# Altium PCB CPU_CARD.pcbdoc (part 2 of 10)
Units mil, origin at the board's own origin, x right, y up, seen from the top; angles counter-clockwise.
Board outline 12785.46 x 11935.21 mil, 2 copper layers (Top Layer, Bottom Layer); 169 components, 379 nets, 1548 pads, 1023 vias.
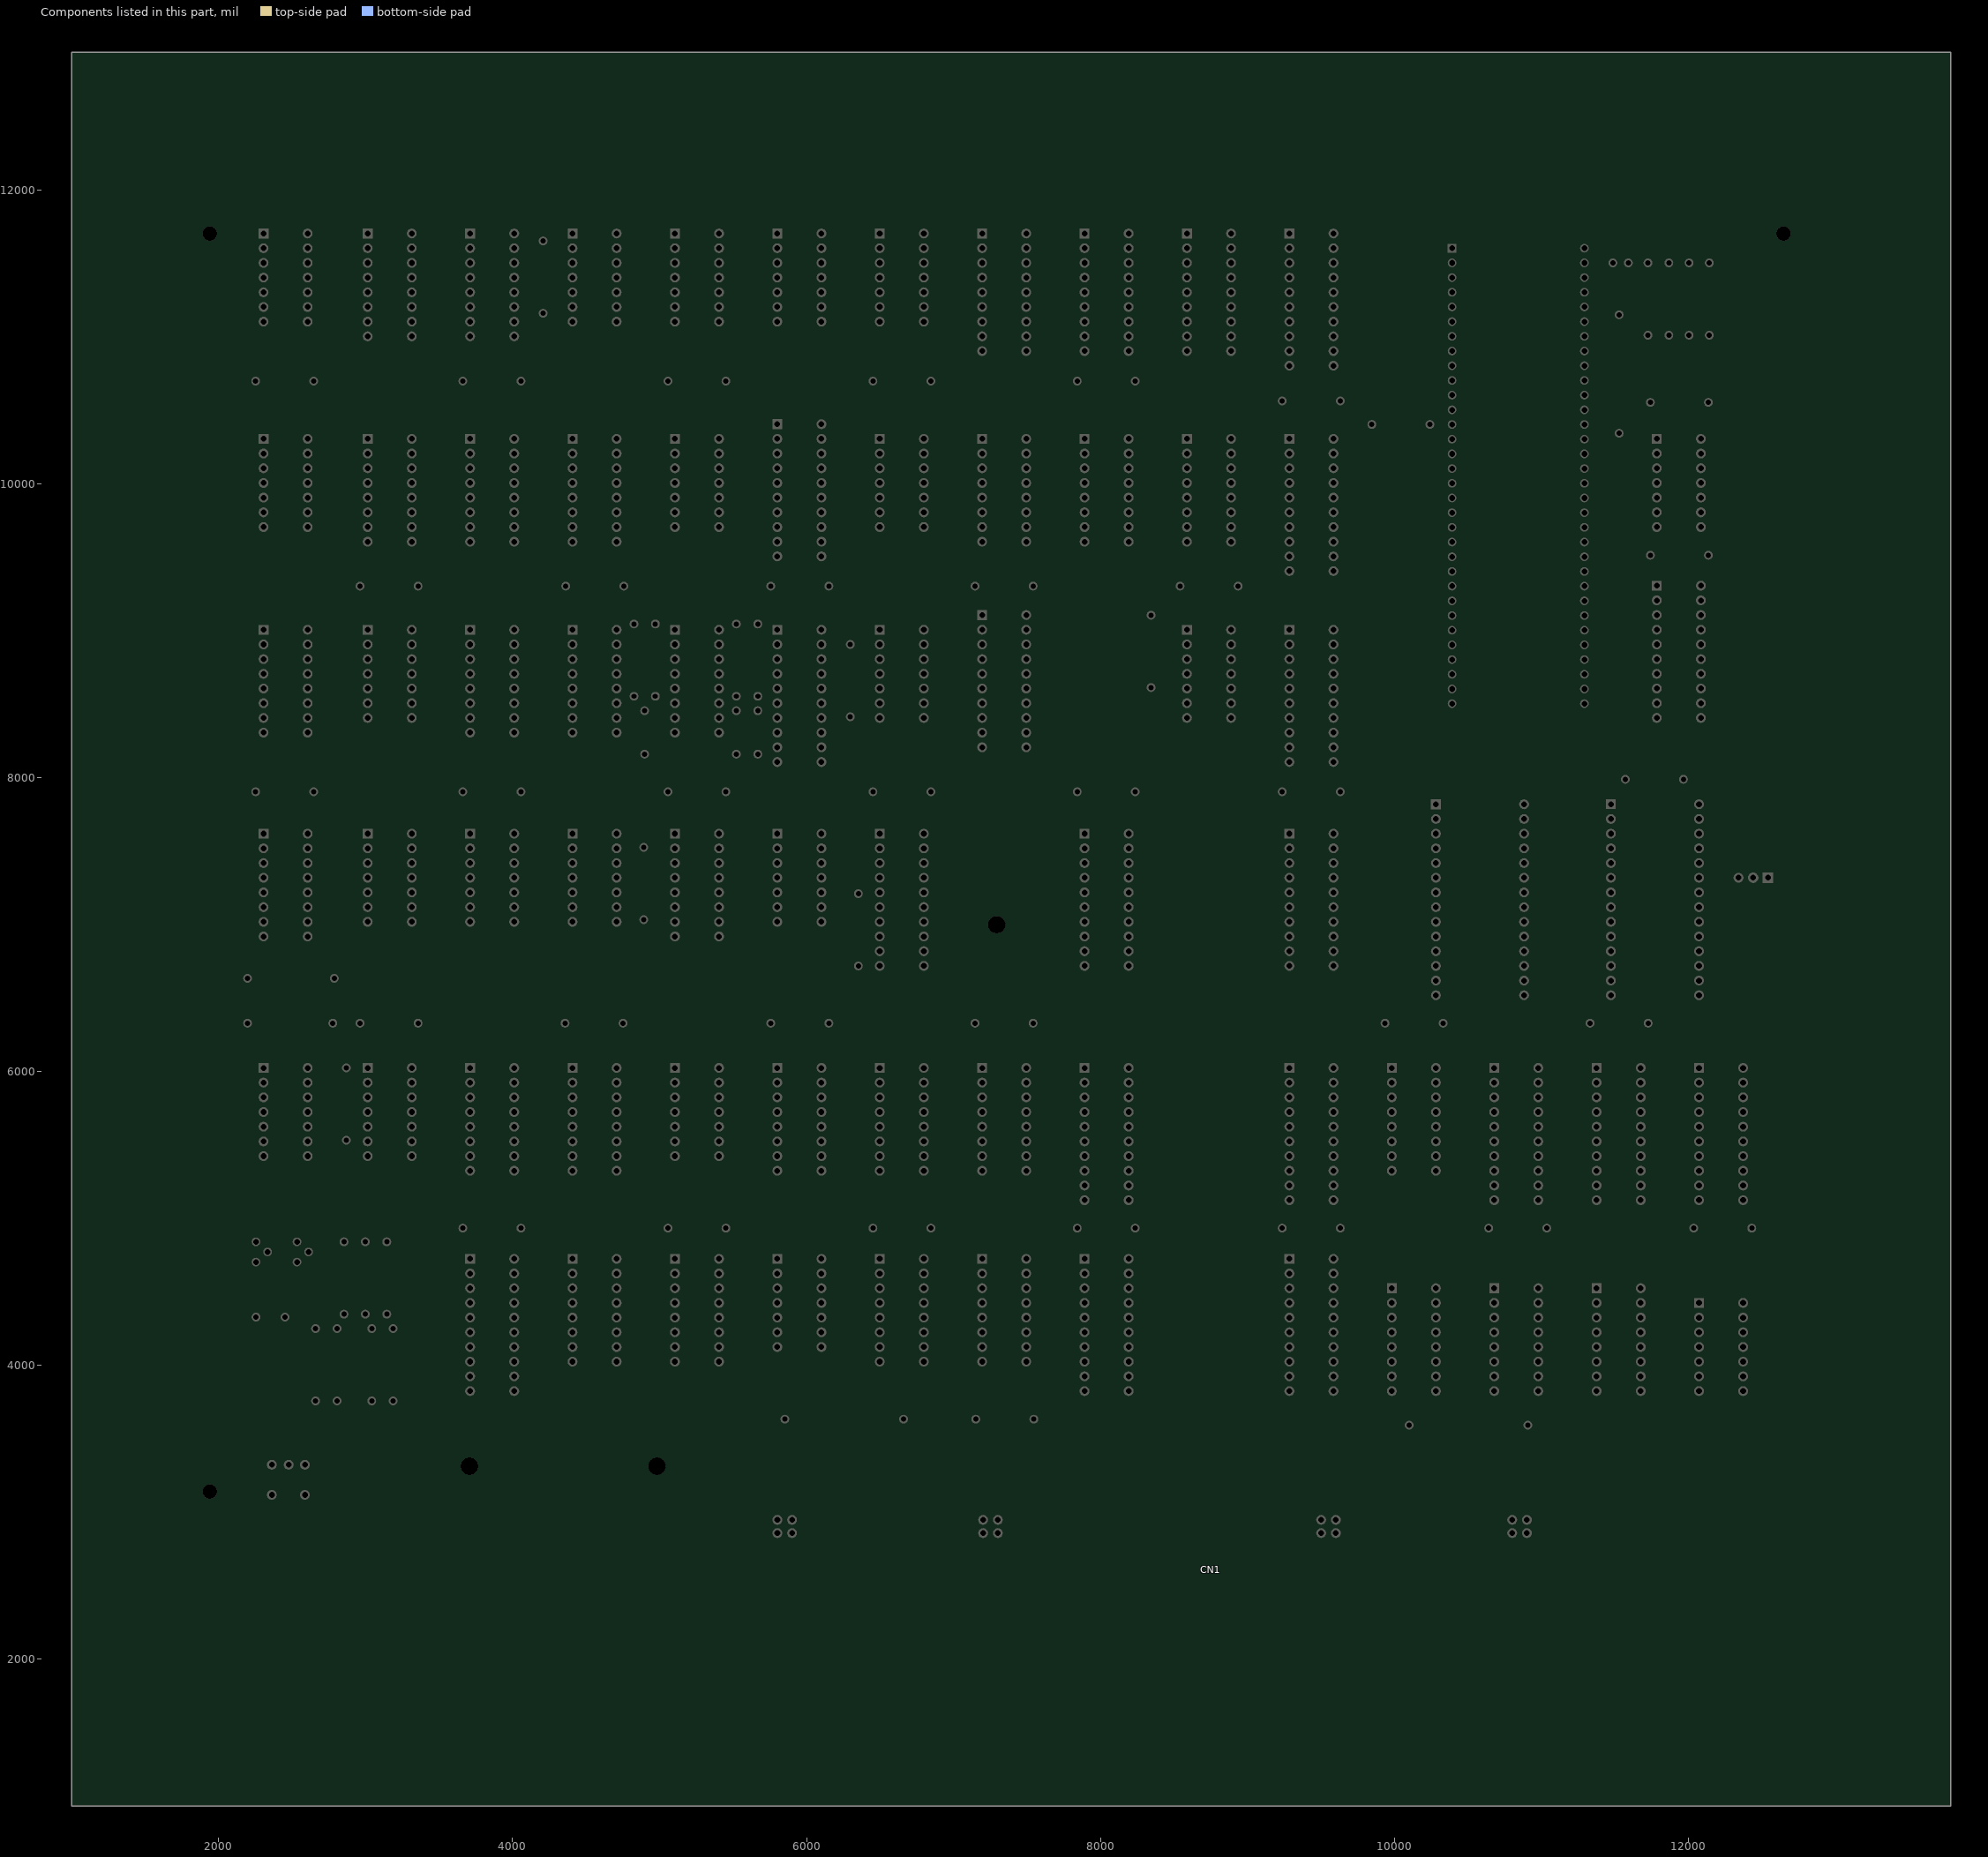
[diagram p2: the components of this part, seen from the top]

## Footprints (in the part's own frame and the unit in brackets; to place one, negate y for a bottom-side part, rotate by r counter-clockwise, add the part's x,y. Pads: shape width x height; smd on the part's side, far side on the other; paste and mask are expansions set on the pad) (continued)
LISA_60_PIN_EDGE_MK5 [mm]
  round 0 smd far side: 1(72.401,0.001) 3(69.861,0.001) 5(67.321,0.001) 7(64.78,0.001) 9(62.24,0.001) 11(59.7,0.001) 13(57.16,0.001) 15(54.619,0.001) 17(52.079,0.001) 19(49.539,0.001) 21(46.999,0.001) 23(44.458,0.001) 25(41.918,0.001) 27(39.378,0.001) 29(36.838,0.001) 31(34.297,0.001) 33(31.757,0.001) 35(29.217,0.001) 37(26.677,0.001) 39(24.136,0.001) 41(21.596,0.001) 43(19.056,0.001) 45(16.516,0.001) 47(13.975,0.001) 49(11.435,0.001) 51(8.895,0.001) 53(6.355,0.001) 55(3.814,0.001) 57(1.274,0.001) 59(-1.267,0.001) 61(-3.807,0.001) 63(-6.347,0.001) 65(-8.887,0.001) 67(-11.428,0.001) 69(-13.968,0.001) 71(-16.509,0.001) 73(-19.049,0.001) 75(-21.589,0.001) 77(-24.129,0.001) 79(-26.669,0.001) 81(-29.209,0.001) 83(-31.75,0.001) 85(-34.29,0.001) 87(-36.831,0.001) 89(-39.371,0.001) 91(-41.911,0.001) 93(-44.451,0.001) 95(-46.992,0.001) 97(-49.532,0.001) 99(-52.072,0.001) 101(-54.612,0.001) 103(-57.153,0.001) 105(-59.693,0.001) 107(-62.233,0.001) 109(-64.773,0.001) 111(-67.314,0.001) 113(-69.854,0.001) 115(-72.394,0.001) 117(-74.934,0.001) 119(-77.473,0)
  round 0 smd: 2(72.401,0.001) 4(69.861,0.001) 6(67.321,0) 8(64.78,0.001) 10(62.24,0.001) 12(59.7,0.001) 14(57.16,0) 16(54.619,0.001) 18(52.079,0) 20(49.539,0) 22(46.999,0) 24(44.458,0.001) 26(41.918,0.001) 28(39.378,0.001) 30(36.838,0.001) 32(34.297,0.001) 34(31.757,0.001) 36(29.217,0.001) 38(26.677,0.001) 40(24.136,0.001) 42(21.596,0.001) 44(19.056,0.001) 46(16.516,0) 48(13.975,0.001) 50(11.435,0) 52(8.895,0) 54(6.355,0) 56(3.814,0.001) 58(1.274,0.001) 60(-1.267,0.001) 62(-3.807,0.001) 64(-6.347,0.001) 66(-8.887,0.001) 68(-11.428,0.001) 70(-13.968,0.001) 72(-16.509,0.001) 74(-19.049,0.001) 76(-21.589,0.001) 78(-24.129,0) 80(-26.669,0.001) 82(-29.209,0.001) 84(-31.75,0) 86(-34.29,0) 88(-36.831,0.001) 90(-39.371,0.001) 92(-41.911,0.001) 94(-44.451,0) 96(-46.992,0.001) 98(-49.532,0.001) 100(-52.072,0.001) 102(-54.612,0) 104(-57.153,0.001) 106(-59.693,0.001) 108(-62.233,0) 110(-64.773,0) 112(-67.314,0) 114(-69.854,0) 116(-72.394,0) 118(-74.934,0) 120(-77.473,0)
  Top Layer region: -77.435,4.952 -77.473,4.953 -77.473,4.953 -77.511,4.952 -77.511,4.952 -77.549,4.949 -77.549,4.949 -77.586,4.944 -77.586,4.944 -77.624,4.937 -77.624,4.937 -77.661,4.927 -77.661,4.927 -77.697,4.916 -77.697,4.916 -77.732,4.903 -77.732,4.903 -77.767,4.888 -77.767,4.888 -77.801,4.871 -77.801,4.871 -77.834,4.853 -77.834,4.853 -77.866,4.832 -77.866,4.832 -77.897,4.81 -77.897,4.81 -77.926,4.787 -77.926,4.787 -77.955,4.761 -77.955,4.761 -77.981,4.734 -77.981,4.734 -78.007,4.706 -78.007,4.706 -78.031,4.677 -78.031,4.677 -78.053,4.646 -78.053,4.646 -78.073,4.614 -78.073,4.614 -78.092,4.581 -78.092,4.581 -78.109,4.547 -78.109,4.547 -78.124,4.512 -78.124,4.512 -78.137,4.477 -78.137,4.477 -78.148,4.44 -78.148,4.44 -78.157,4.403 -78.157,4.403 -78.164,4.366 -78.164,4.366 -78.169,4.329 -78.169,4.329 -78.172,4.291 -78.172,4.291 -78.173,4.253 -78.173,4.253 -78.173,-4.953 -78.173,-4.953 -76.773,-4.953 -76.773,-4.953 -76.773,4.253 -76.773,4.253 -76.774,4.291 -76.774,4.291 -76.777,4.329 -76.777,4.329 -76.782,4.366 -76.782,4.366 -76.79,4.403 -76.79,4.403 -76.799,4.44 -76.799,4.44 -76.81,4.477 -76.81,4.477 -76.823,4.512 -76.823,4.512 -76.838,4.547 -76.838,4.547 -76.855,4.581 -76.855,4.581 -76.873,4.614 -76.873,4.614 -76.894,4.646 -76.894,4.646 -76.916,4.677 -76.916,4.677 -76.94,4.706 -76.94,4.706 -76.965,4.734 -76.965,4.734 -76.992,4.761 -76.992,4.761 -77.02,4.787 -77.02,4.787 -77.05,4.81 -77.05,4.81 -77.08,4.832 -77.08,4.832 -77.112,4.853 -77.112,4.853 -77.145,4.871 -77.145,4.871 -77.179,4.888 -77.179,4.888 -77.214,4.903 -77.214,4.903 -77.25,4.916 -77.25,4.916 -77.286,4.928 -77.286,4.928 -77.323,4.937 -77.323,4.937 -77.36,4.944 -77.36,4.944 -77.398,4.949 -77.398,4.949
  Top Layer region: -74.895,4.952 -74.933,4.953 -74.933,4.953 -74.971,4.952 -74.971,4.952 -75.009,4.949 -75.009,4.949 -75.046,4.944 -75.046,4.944 -75.084,4.937 -75.084,4.937 -75.121,4.927 -75.121,4.927 -75.157,4.916 -75.157,4.916 -75.192,4.903 -75.192,4.903 -75.227,4.888 -75.227,4.888 -75.261,4.871 -75.261,4.871 -75.294,4.853 -75.294,4.853 -75.326,4.832 -75.326,4.832 -75.357,4.81 -75.357,4.81 -75.386,4.787 -75.386,4.787 -75.415,4.761 -75.415,4.761 -75.441,4.734 -75.441,4.734 -75.467,4.706 -75.467,4.706 -75.491,4.677 -75.491,4.677 -75.513,4.646 -75.513,4.646 -75.533,4.614 -75.533,4.614 -75.552,4.581 -75.552,4.581 -75.569,4.547 -75.569,4.547 -75.583,4.512 -75.583,4.512 -75.597,4.477 -75.597,4.477 -75.608,4.44 -75.608,4.44 -75.617,4.403 -75.617,4.403 -75.624,4.366 -75.624,4.366 -75.629,4.329 -75.629,4.329 -75.632,4.291 -75.632,4.291 -75.633,4.253 -75.633,4.253 -75.633,-4.953 -75.633,-4.953 -74.233,-4.953 -74.233,-4.953 -74.233,4.253 -74.233,4.253 -74.234,4.291 -74.234,4.291 -74.237,4.329 -74.237,4.329 -74.242,4.366 -74.242,4.366 -74.25,4.403 -74.25,4.403 -74.259,4.44 -74.259,4.44 -74.27,4.477 -74.27,4.477 -74.283,4.512 -74.283,4.512 -74.298,4.547 -74.298,4.547 -74.315,4.581 -74.315,4.581 -74.333,4.614 -74.333,4.614 -74.354,4.646 -74.354,4.646 -74.376,4.677 -74.376,4.677 -74.4,4.706 -74.4,4.706 -74.425,4.734 -74.425,4.734 -74.452,4.761 -74.452,4.761 -74.48,4.787 -74.48,4.787 -74.51,4.81 -74.51,4.81 -74.54,4.832 -74.54,4.832 -74.572,4.853 -74.572,4.853 -74.605,4.871 -74.605,4.871 -74.639,4.888 -74.639,4.888 -74.674,4.903 -74.674,4.903 -74.71,4.916 -74.71,4.916 -74.746,4.927 -74.746,4.927 -74.783,4.937 -74.783,4.937 -74.82,4.944 -74.82,4.944 -74.858,4.949 -74.858,4.949
  Top Layer region: -72.355,4.952 -72.393,4.953 -72.393,4.953 -72.431,4.952 -72.431,4.952 -72.469,4.949 -72.469,4.949 -72.506,4.944 -72.506,4.944 -72.543,4.937 -72.543,4.937 -72.58,4.927 -72.58,4.927 -72.616,4.916 -72.616,4.916 -72.652,4.903 -72.652,4.903 -72.687,4.888 -72.687,4.888 -72.721,4.871 -72.721,4.871 -72.754,4.853 -72.754,4.853 -72.786,4.832 -72.786,4.832 -72.817,4.81 -72.817,4.81 -72.846,4.787 -72.846,4.787 -72.874,4.761 -72.874,4.761 -72.901,4.734 -72.901,4.734 -72.926,4.706 -72.926,4.706 -72.95,4.677 -72.95,4.677 -72.972,4.646 -72.972,4.646 -72.993,4.614 -72.993,4.614 -73.011,4.581 -73.011,4.581 -73.028,4.547 -73.028,4.547 -73.043,4.512 -73.043,4.512 -73.056,4.477 -73.056,4.477 -73.067,4.44 -73.067,4.44 -73.077,4.403 -73.077,4.403 -73.084,4.366 -73.084,4.366 -73.089,4.329 -73.089,4.329 -73.092,4.291 -73.092,4.291 -73.093,4.253 -73.093,4.253 -73.093,-4.953 -73.093,-4.953 -71.693,-4.953 -71.693,-4.953 -71.693,4.253 -71.693,4.253 -71.694,4.291 -71.694,4.291 -71.697,4.329 -71.697,4.329 -71.702,4.366 -71.702,4.366 -71.709,4.403 -71.709,4.403 -71.718,4.44 -71.718,4.44 -71.73,4.477 -71.73,4.477 -71.743,4.512 -71.743,4.512 -71.758,4.547 -71.758,4.547 -71.775,4.581 -71.775,4.581 -71.793,4.614 -71.793,4.614 -71.813,4.646 -71.813,4.646 -71.836,4.677 -71.836,4.677 -71.859,4.706 -71.859,4.706 -71.885,4.734 -71.885,4.734 -71.911,4.761 -71.911,4.761 -71.94,4.787 -71.94,4.787 -71.969,4.81 -71.969,4.81 -72,4.832 -72,4.832 -72.032,4.853 -72.032,4.853 -72.065,4.871 -72.065,4.871 -72.099,4.888 -72.099,4.888 -72.134,4.903 -72.134,4.903 -72.169,4.916 -72.169,4.916 -72.206,4.927 -72.206,4.927 -72.242,4.937 -72.242,4.937 -72.28,4.944 -72.28,4.944 -72.317,4.949 -72.317,4.949
  Top Layer region: -67.274,4.952 -67.312,4.953 -67.312,4.953 -67.35,4.952 -67.35,4.952 -67.388,4.949 -67.388,4.949 -67.426,4.944 -67.426,4.944 -67.463,4.937 -67.463,4.937 -67.5,4.927 -67.5,4.927 -67.536,4.916 -67.536,4.916 -67.571,4.903 -67.571,4.903 -67.606,4.888 -67.606,4.888 -67.64,4.871 -67.64,4.871 -67.673,4.853 -67.673,4.853 -67.705,4.832 -67.705,4.832 -67.736,4.81 -67.736,4.81 -67.765,4.787 -67.765,4.787 -67.794,4.761 -67.794,4.761 -67.821,4.734 -67.821,4.734 -67.846,4.706 -67.846,4.706 -67.87,4.677 -67.87,4.677 -67.892,4.646 -67.892,4.646 -67.912,4.614 -67.912,4.614 -67.931,4.581 -67.931,4.581 -67.948,4.547 -67.948,4.547 -67.963,4.512 -67.963,4.512 -67.976,4.477 -67.976,4.477 -67.987,4.44 -67.987,4.44 -67.996,4.403 -67.996,4.403 -68.003,4.366 -68.003,4.366 -68.008,4.329 -68.008,4.329 -68.011,4.291 -68.011,4.291 -68.012,4.253 -68.012,4.253 -68.012,-4.953 -68.012,-4.953 -66.612,-4.953 -66.612,-4.953 -66.612,4.253 -66.612,4.253 -66.613,4.291 -66.613,4.291 -66.616,4.329 -66.616,4.329 -66.622,4.366 -66.622,4.366 -66.629,4.403 -66.629,4.403 -66.638,4.44 -66.638,4.44 -66.649,4.477 -66.649,4.477 -66.662,4.512 -66.662,4.512 -66.677,4.547 -66.677,4.547 -66.694,4.581 -66.694,4.581 -66.713,4.614 -66.713,4.614 -66.733,4.646 -66.733,4.646 -66.755,4.677 -66.755,4.677 -66.779,4.706 -66.779,4.706 -66.804,4.734 -66.804,4.734 -66.831,4.761 -66.831,4.761 -66.859,4.787 -66.859,4.787 -66.889,4.81 -66.889,4.81 -66.92,4.832 -66.92,4.832 -66.952,4.853 -66.952,4.853 -66.985,4.871 -66.985,4.871 -67.018,4.888 -67.018,4.888 -67.053,4.903 -67.053,4.903 -67.089,4.916 -67.089,4.916 -67.125,4.927 -67.125,4.927 -67.162,4.937 -67.162,4.937 -67.199,4.944 -67.199,4.944 -67.237,4.949 -67.237,4.949
  Top Layer region: -69.815,4.952 -69.853,4.953 -69.853,4.953 -69.891,4.952 -69.891,4.952 -69.928,4.949 -69.928,4.949 -69.966,4.944 -69.966,4.944 -70.003,4.937 -70.003,4.937 -70.04,4.928 -70.04,4.928 -70.076,4.916 -70.076,4.916 -70.112,4.903 -70.112,4.903 -70.147,4.888 -70.147,4.888 -70.181,4.872 -70.181,4.872 -70.213,4.853 -70.213,4.853 -70.245,4.833 -70.245,4.833 -70.276,4.81 -70.276,4.81 -70.306,4.787 -70.306,4.787 -70.334,4.761 -70.334,4.761 -70.361,4.734 -70.361,4.734 -70.386,4.706 -70.386,4.706 -70.41,4.677 -70.41,4.677 -70.432,4.646 -70.432,4.646 -70.453,4.614 -70.453,4.614 -70.471,4.581 -70.471,4.581 -70.488,4.547 -70.488,4.547 -70.503,4.512 -70.503,4.512 -70.516,4.477 -70.516,4.477 -70.527,4.44 -70.527,4.44 -70.536,4.404 -70.536,4.404 -70.543,4.366 -70.543,4.366 -70.549,4.329 -70.549,4.329 -70.552,4.291 -70.552,4.291 -70.553,4.253 -70.553,4.253 -70.553,-4.953 -70.553,-4.953 -69.153,-4.953 -69.153,-4.953 -69.153,4.253 -69.153,4.253 -69.154,4.291 -69.154,4.291 -69.157,4.329 -69.157,4.329 -69.162,4.366 -69.162,4.366 -69.169,4.404 -69.169,4.404 -69.178,4.44 -69.178,4.44 -69.189,4.477 -69.189,4.477 -69.202,4.512 -69.202,4.512 -69.217,4.547 -69.217,4.547 -69.234,4.581 -69.234,4.581 -69.253,4.614 -69.253,4.614 -69.273,4.646 -69.273,4.646 -69.295,4.677 -69.295,4.677 -69.319,4.706 -69.319,4.706 -69.344,4.734 -69.344,4.734 -69.371,4.761 -69.371,4.761 -69.4,4.787 -69.4,4.787 -69.429,4.81 -69.429,4.81 -69.46,4.833 -69.46,4.833 -69.492,4.853 -69.492,4.853 -69.525,4.872 -69.525,4.872 -69.559,4.888 -69.559,4.888 -69.594,4.903 -69.594,4.903 -69.629,4.916 -69.629,4.916 -69.665,4.928 -69.665,4.928 -69.702,4.937 -69.702,4.937 -69.739,4.944 -69.739,4.944 -69.777,4.949 -69.777,4.949
  Top Layer region: -59.653,4.952 -59.691,4.953 -59.691,4.953 -59.729,4.952 -59.729,4.952 -59.767,4.949 -59.767,4.949 -59.805,4.944 -59.805,4.944 -59.842,4.937 -59.842,4.937 -59.879,4.927 -59.879,4.927 -59.915,4.916 -59.915,4.916 -59.951,4.903 -59.951,4.903 -59.985,4.888 -59.985,4.888 -60.019,4.872 -60.019,4.872 -60.052,4.853 -60.052,4.853 -60.084,4.832 -60.084,4.832 -60.115,4.81 -60.115,4.81 -60.145,4.787 -60.145,4.787 -60.173,4.761 -60.173,4.761 -60.2,4.734 -60.2,4.734 -60.225,4.706 -60.225,4.706 -60.249,4.677 -60.249,4.677 -60.271,4.646 -60.271,4.646 -60.291,4.614 -60.291,4.614 -60.31,4.581 -60.31,4.581 -60.327,4.547 -60.327,4.547 -60.342,4.512 -60.342,4.512 -60.355,4.477 -60.355,4.477 -60.366,4.44 -60.366,4.44 -60.375,4.404 -60.375,4.404 -60.382,4.366 -60.382,4.366 -60.387,4.329 -60.387,4.329 -60.391,4.291 -60.391,4.291 -60.391,4.253 -60.391,4.253 -60.391,-4.953 -60.391,-4.953 -58.991,-4.953 -58.991,-4.953 -58.991,4.253 -58.991,4.253 -58.992,4.291 -58.992,4.291 -58.995,4.329 -58.995,4.329 -59.001,4.366 -59.001,4.366 -59.008,4.404 -59.008,4.404 -59.017,4.44 -59.017,4.44 -59.028,4.477 -59.028,4.477 -59.041,4.512 -59.041,4.512 -59.056,4.547 -59.056,4.547 -59.073,4.581 -59.073,4.581 -59.092,4.614 -59.092,4.614 -59.112,4.646 -59.112,4.646 -59.134,4.677 -59.134,4.677 -59.158,4.706 -59.158,4.706 -59.183,4.734 -59.183,4.734 -59.21,4.761 -59.21,4.761 -59.238,4.787 -59.238,4.787 -59.268,4.81 -59.268,4.81 -59.298,4.832 -59.298,4.832 -59.33,4.853 -59.33,4.853 -59.364,4.872 -59.364,4.872 -59.398,4.888 -59.398,4.888 -59.432,4.903 -59.432,4.903 -59.468,4.916 -59.468,4.916 -59.504,4.927 -59.504,4.927 -59.541,4.937 -59.541,4.937 -59.578,4.944 -59.578,4.944 -59.616,4.949 -59.616,4.949
  Top Layer region: -57.113,4.952 -57.151,4.953 -57.151,4.953 -57.189,4.952 -57.189,4.952 -57.227,4.949 -57.227,4.949 -57.264,4.944 -57.264,4.944 -57.302,4.937 -57.302,4.937 -57.338,4.927 -57.338,4.927 -57.374,4.916 -57.374,4.916 -57.41,4.903 -57.41,4.903 -57.445,4.888 -57.445,4.888 -57.479,4.871 -57.479,4.871 -57.512,4.853 -57.512,4.853 -57.544,4.832 -57.544,4.832 -57.575,4.81 -57.575,4.81 -57.604,4.786 -57.604,4.786 -57.632,4.761 -57.632,4.761 -57.659,4.734 -57.659,4.734 -57.685,4.706 -57.685,4.706 -57.708,4.677 -57.708,4.677 -57.73,4.646 -57.73,4.646 -57.751,4.614 -57.751,4.614 -57.77,4.581 -57.77,4.581 -57.786,4.547 -57.786,4.547 -57.801,4.512 -57.801,4.512 -57.814,4.477 -57.814,4.477 -57.826,4.44 -57.826,4.44 -57.835,4.403 -57.835,4.403 -57.842,4.366 -57.842,4.366 -57.847,4.329 -57.847,4.329 -57.85,4.291 -57.85,4.291 -57.851,4.253 -57.851,4.253 -57.851,-4.953 -57.851,-4.953 -56.451,-4.953 -56.451,-4.953 -56.451,4.253 -56.451,4.253 -56.452,4.291 -56.452,4.291 -56.455,4.329 -56.455,4.329 -56.46,4.366 -56.46,4.366 -56.467,4.403 -56.467,4.403 -56.477,4.44 -56.477,4.44 -56.488,4.477 -56.488,4.477 -56.501,4.512 -56.501,4.512 -56.516,4.547 -56.516,4.547 -56.533,4.581 -56.533,4.581 -56.551,4.614 -56.551,4.614 -56.572,4.646 -56.572,4.646 -56.594,4.677 -56.594,4.677 -56.618,4.706 -56.618,4.706 -56.643,4.734 -56.643,4.734 -56.67,4.761 -56.67,4.761 -56.698,4.786 -56.698,4.786 -56.727,4.81 -56.727,4.81 -56.758,4.832 -56.758,4.832 -56.79,4.853 -56.79,4.853 -56.823,4.871 -56.823,4.871 -56.857,4.888 -56.857,4.888 -56.892,4.903 -56.892,4.903 -56.927,4.916 -56.927,4.916 -56.964,4.927 -56.964,4.927 -57.001,4.937 -57.001,4.937 -57.038,4.944 -57.038,4.944 -57.076,4.949 -57.076,4.949
  Top Layer region: -62.194,4.952 -62.232,4.953 -62.232,4.953 -62.27,4.952 -62.27,4.952 -62.307,4.949 -62.307,4.949 -62.345,4.944 -62.345,4.944 -62.382,4.937 -62.382,4.937 -62.419,4.927 -62.419,4.927 -62.455,4.916 -62.455,4.916 -62.491,4.903 -62.491,4.903 -62.526,4.888 -62.526,4.888 -62.56,4.871 -62.56,4.871 -62.592,4.853 -62.592,4.853 -62.624,4.832 -62.624,4.832 -62.655,4.81 -62.655,4.81 -62.685,4.786 -62.685,4.786 -62.713,4.761 -62.713,4.761 -62.74,4.734 -62.74,4.734 -62.765,4.706 -62.765,4.706 -62.789,4.677 -62.789,4.677 -62.811,4.646 -62.811,4.646 -62.832,4.614 -62.832,4.614 -62.85,4.581 -62.85,4.581 -62.867,4.547 -62.867,4.547 -62.882,4.512 -62.882,4.512 -62.895,4.476 -62.895,4.476 -62.906,4.44 -62.906,4.44 -62.915,4.403 -62.915,4.403 -62.922,4.366 -62.922,4.366 -62.928,4.329 -62.928,4.329 -62.931,4.291 -62.931,4.291 -62.932,4.253 -62.932,4.253 -62.932,-4.953 -62.932,-4.953 -61.532,-4.953 -61.532,-4.953 -61.532,4.253 -61.532,4.253 -61.533,4.291 -61.533,4.291 -61.536,4.329 -61.536,4.329 -61.541,4.366 -61.541,4.366 -61.548,4.403 -61.548,4.403 -61.557,4.44 -61.557,4.44 -61.568,4.476 -61.568,4.476 -61.581,4.512 -61.581,4.512 -61.596,4.547 -61.596,4.547 -61.613,4.581 -61.613,4.581 -61.632,4.614 -61.632,4.614 -61.652,4.646 -61.652,4.646 -61.675,4.677 -61.675,4.677 -61.698,4.706 -61.698,4.706 -61.724,4.734 -61.724,4.734 -61.75,4.761 -61.75,4.761 -61.779,4.786 -61.779,4.786 -61.808,4.81 -61.808,4.81 -61.839,4.832 -61.839,4.832 -61.871,4.853 -61.871,4.853 -61.904,4.871 -61.904,4.871 -61.938,4.888 -61.938,4.888 -61.972,4.903 -61.972,4.903 -62.008,4.916 -62.008,4.916 -62.044,4.927 -62.044,4.927 -62.081,4.937 -62.081,4.937 -62.118,4.944 -62.118,4.944 -62.156,4.949 -62.156,4.949
  Top Layer region: -64.734,4.952 -64.772,4.953 -64.772,4.953 -64.81,4.952 -64.81,4.952 -64.848,4.949 -64.848,4.949 -64.885,4.944 -64.885,4.944 -64.922,4.937 -64.922,4.937 -64.959,4.927 -64.959,4.927 -64.995,4.916 -64.995,4.916 -65.031,4.903 -65.031,4.903 -65.066,4.888 -65.066,4.888 -65.1,4.871 -65.1,4.871 -65.133,4.853 -65.133,4.853 -65.165,4.832 -65.165,4.832 -65.196,4.81 -65.196,4.81 -65.225,4.786 -65.225,4.786 -65.253,4.761 -65.253,4.761 -65.28,4.734 -65.28,4.734 -65.305,4.706 -65.305,4.706 -65.329,4.677 -65.329,4.677 -65.351,4.646 -65.351,4.646 -65.372,4.614 -65.372,4.614 -65.39,4.581 -65.39,4.581 -65.407,4.547 -65.407,4.547 -65.422,4.512 -65.422,4.512 -65.435,4.477 -65.435,4.477 -65.446,4.44 -65.446,4.44 -65.455,4.403 -65.455,4.403 -65.463,4.366 -65.463,4.366 -65.468,4.329 -65.468,4.329 -65.471,4.291 -65.471,4.291 -65.472,4.253 -65.472,4.253 -65.472,-4.953 -65.472,-4.953 -64.072,-4.953 -64.072,-4.953 -64.072,4.253 -64.072,4.253 -64.073,4.291 -64.073,4.291 -64.076,4.329 -64.076,4.329 -64.081,4.366 -64.081,4.366 -64.088,4.403 -64.088,4.403 -64.097,4.44 -64.097,4.44 -64.109,4.477 -64.109,4.477 -64.122,4.512 -64.122,4.512 -64.137,4.547 -64.137,4.547 -64.154,4.581 -64.154,4.581 -64.172,4.614 -64.172,4.614 -64.192,4.646 -64.192,4.646 -64.215,4.677 -64.215,4.677 -64.238,4.706 -64.238,4.706 -64.264,4.734 -64.264,4.734 -64.29,4.761 -64.29,4.761 -64.319,4.786 -64.319,4.786 -64.348,4.81 -64.348,4.81 -64.379,4.832 -64.379,4.832 -64.411,4.853 -64.411,4.853 -64.444,4.871 -64.444,4.871 -64.478,4.888 -64.478,4.888 -64.513,4.903 -64.513,4.903 -64.548,4.916 -64.548,4.916 -64.585,4.927 -64.585,4.927 -64.622,4.937 -64.622,4.937 -64.659,4.944 -64.659,4.944 -64.696,4.949 -64.696,4.949
  Top Layer region: -44.412,4.952 -44.45,4.953 -44.45,4.953 -44.488,4.952 -44.488,4.952 -44.526,4.949 -44.526,4.949 -44.563,4.944 -44.563,4.944 -44.6,4.937 -44.6,4.937 -44.637,4.927 -44.637,4.927 -44.673,4.916 -44.673,4.916 -44.709,4.903 -44.709,4.903 -44.744,4.888 -44.744,4.888 -44.778,4.871 -44.778,4.871 -44.81,4.853 -44.81,4.853 -44.842,4.832 -44.842,4.832 -44.873,4.81 -44.873,4.81 -44.903,4.786 -44.903,4.786 -44.931,4.761 -44.931,4.761 -44.958,4.734 -44.958,4.734 -44.983,4.706 -44.983,4.706 -45.007,4.677 -45.007,4.677 -45.029,4.646 -45.029,4.646 -45.05,4.614 -45.05,4.614 -45.068,4.581 -45.068,4.581 -45.085,4.547 -45.085,4.547 -45.1,4.512 -45.1,4.512 -45.113,4.477 -45.113,4.477 -45.124,4.44 -45.124,4.44 -45.133,4.403 -45.133,4.403 -45.14,4.366 -45.14,4.366 -45.146,4.329 -45.146,4.329 -45.149,4.291 -45.149,4.291 -45.15,4.253 -45.15,4.253 -45.15,-4.953 -45.15,-4.953 -43.75,-4.953 -43.75,-4.953 -43.75,4.253 -43.75,4.253 -43.751,4.291 -43.751,4.291 -43.754,4.329 -43.754,4.329 -43.759,4.366 -43.759,4.366 -43.766,4.403 -43.766,4.403 -43.775,4.44 -43.775,4.44 -43.786,4.477 -43.786,4.477 -43.799,4.512 -43.799,4.512 -43.814,4.547 -43.814,4.547 -43.831,4.581 -43.831,4.581 -43.85,4.614 -43.85,4.614 -43.87,4.646 -43.87,4.646 -43.893,4.677 -43.893,4.677 -43.916,4.706 -43.916,4.706 -43.942,4.734 -43.942,4.734 -43.968,4.761 -43.968,4.761 -43.997,4.786 -43.997,4.786 -44.026,4.81 -44.026,4.81 -44.057,4.832 -44.057,4.832 -44.089,4.853 -44.089,4.853 -44.122,4.871 -44.122,4.871 -44.156,4.888 -44.156,4.888 -44.191,4.903 -44.191,4.903 -44.226,4.916 -44.226,4.916 -44.262,4.927 -44.262,4.927 -44.299,4.937 -44.299,4.937 -44.336,4.944 -44.336,4.944 -44.374,4.949 -44.374,4.949
  Top Layer region: -41.871,4.952 -41.91,4.953 -41.91,4.953 -41.947,4.952 -41.947,4.952 -41.985,4.949 -41.985,4.949 -42.023,4.944 -42.023,4.944 -42.06,4.937 -42.06,4.937 -42.097,4.927 -42.097,4.927 -42.133,4.916 -42.133,4.916 -42.169,4.903 -42.169,4.903 -42.203,4.888 -42.203,4.888 -42.237,4.871 -42.237,4.871 -42.27,4.853 -42.27,4.853 -42.302,4.832 -42.302,4.832 -42.333,4.81 -42.333,4.81 -42.363,4.786 -42.363,4.786 -42.391,4.761 -42.391,4.761 -42.418,4.734 -42.418,4.734 -42.443,4.706 -42.443,4.706 -42.467,4.677 -42.467,4.677 -42.489,4.646 -42.489,4.646 -42.509,4.614 -42.509,4.614 -42.528,4.581 -42.528,4.581 -42.545,4.547 -42.545,4.547 -42.56,4.512 -42.56,4.512 -42.573,4.477 -42.573,4.477 -42.584,4.44 -42.584,4.44 -42.593,4.403 -42.593,4.403 -42.6,4.366 -42.6,4.366 -42.605,4.329 -42.605,4.329 -42.609,4.291 -42.609,4.291 -42.609,4.253 -42.609,4.253 -42.609,-4.953 -42.609,-4.953 -41.209,-4.953 -41.209,-4.953 -41.209,4.253 -41.209,4.253 -41.211,4.291 -41.211,4.291 -41.214,4.329 -41.214,4.329 -41.219,4.366 -41.219,4.366 -41.226,4.403 -41.226,4.403 -41.235,4.44 -41.235,4.44 -41.246,4.477 -41.246,4.477 -41.259,4.512 -41.259,4.512 -41.274,4.547 -41.274,4.547 -41.291,4.581 -41.291,4.581 -41.31,4.614 -41.31,4.614 -41.33,4.646 -41.33,4.646 -41.352,4.677 -41.352,4.677 -41.376,4.706 -41.376,4.706 -41.401,4.734 -41.401,4.734 -41.428,4.761 -41.428,4.761 -41.456,4.786 -41.456,4.786 -41.486,4.81 -41.486,4.81 -41.516,4.832 -41.516,4.832 -41.548,4.853 -41.548,4.853 -41.582,4.871 -41.582,4.871 -41.616,4.888 -41.616,4.888 -41.65,4.903 -41.65,4.903 -41.686,4.916 -41.686,4.916 -41.722,4.927 -41.722,4.927 -41.759,4.937 -41.759,4.937 -41.796,4.944 -41.796,4.944 -41.834,4.949 -41.834,4.949